# Altium PCB Dashcam_V2.0E.PcbDoc (part 5 of 8)
Units mil, origin at the board's own origin, x right, y up, seen from the top; angles counter-clockwise.
Board outline 3544.65 x 2560.37 mil, 8 copper layers (TOP, L2_GND, L3_IN1, L4_IN2, L5_PWR2, L6_PWR1, L7_GND_2, BOTTOM), stack 48.184 mil thick; 411 components, 365 nets, 2257 pads, 1045 vias.
Unrouted connection lines stored in the file: 2.
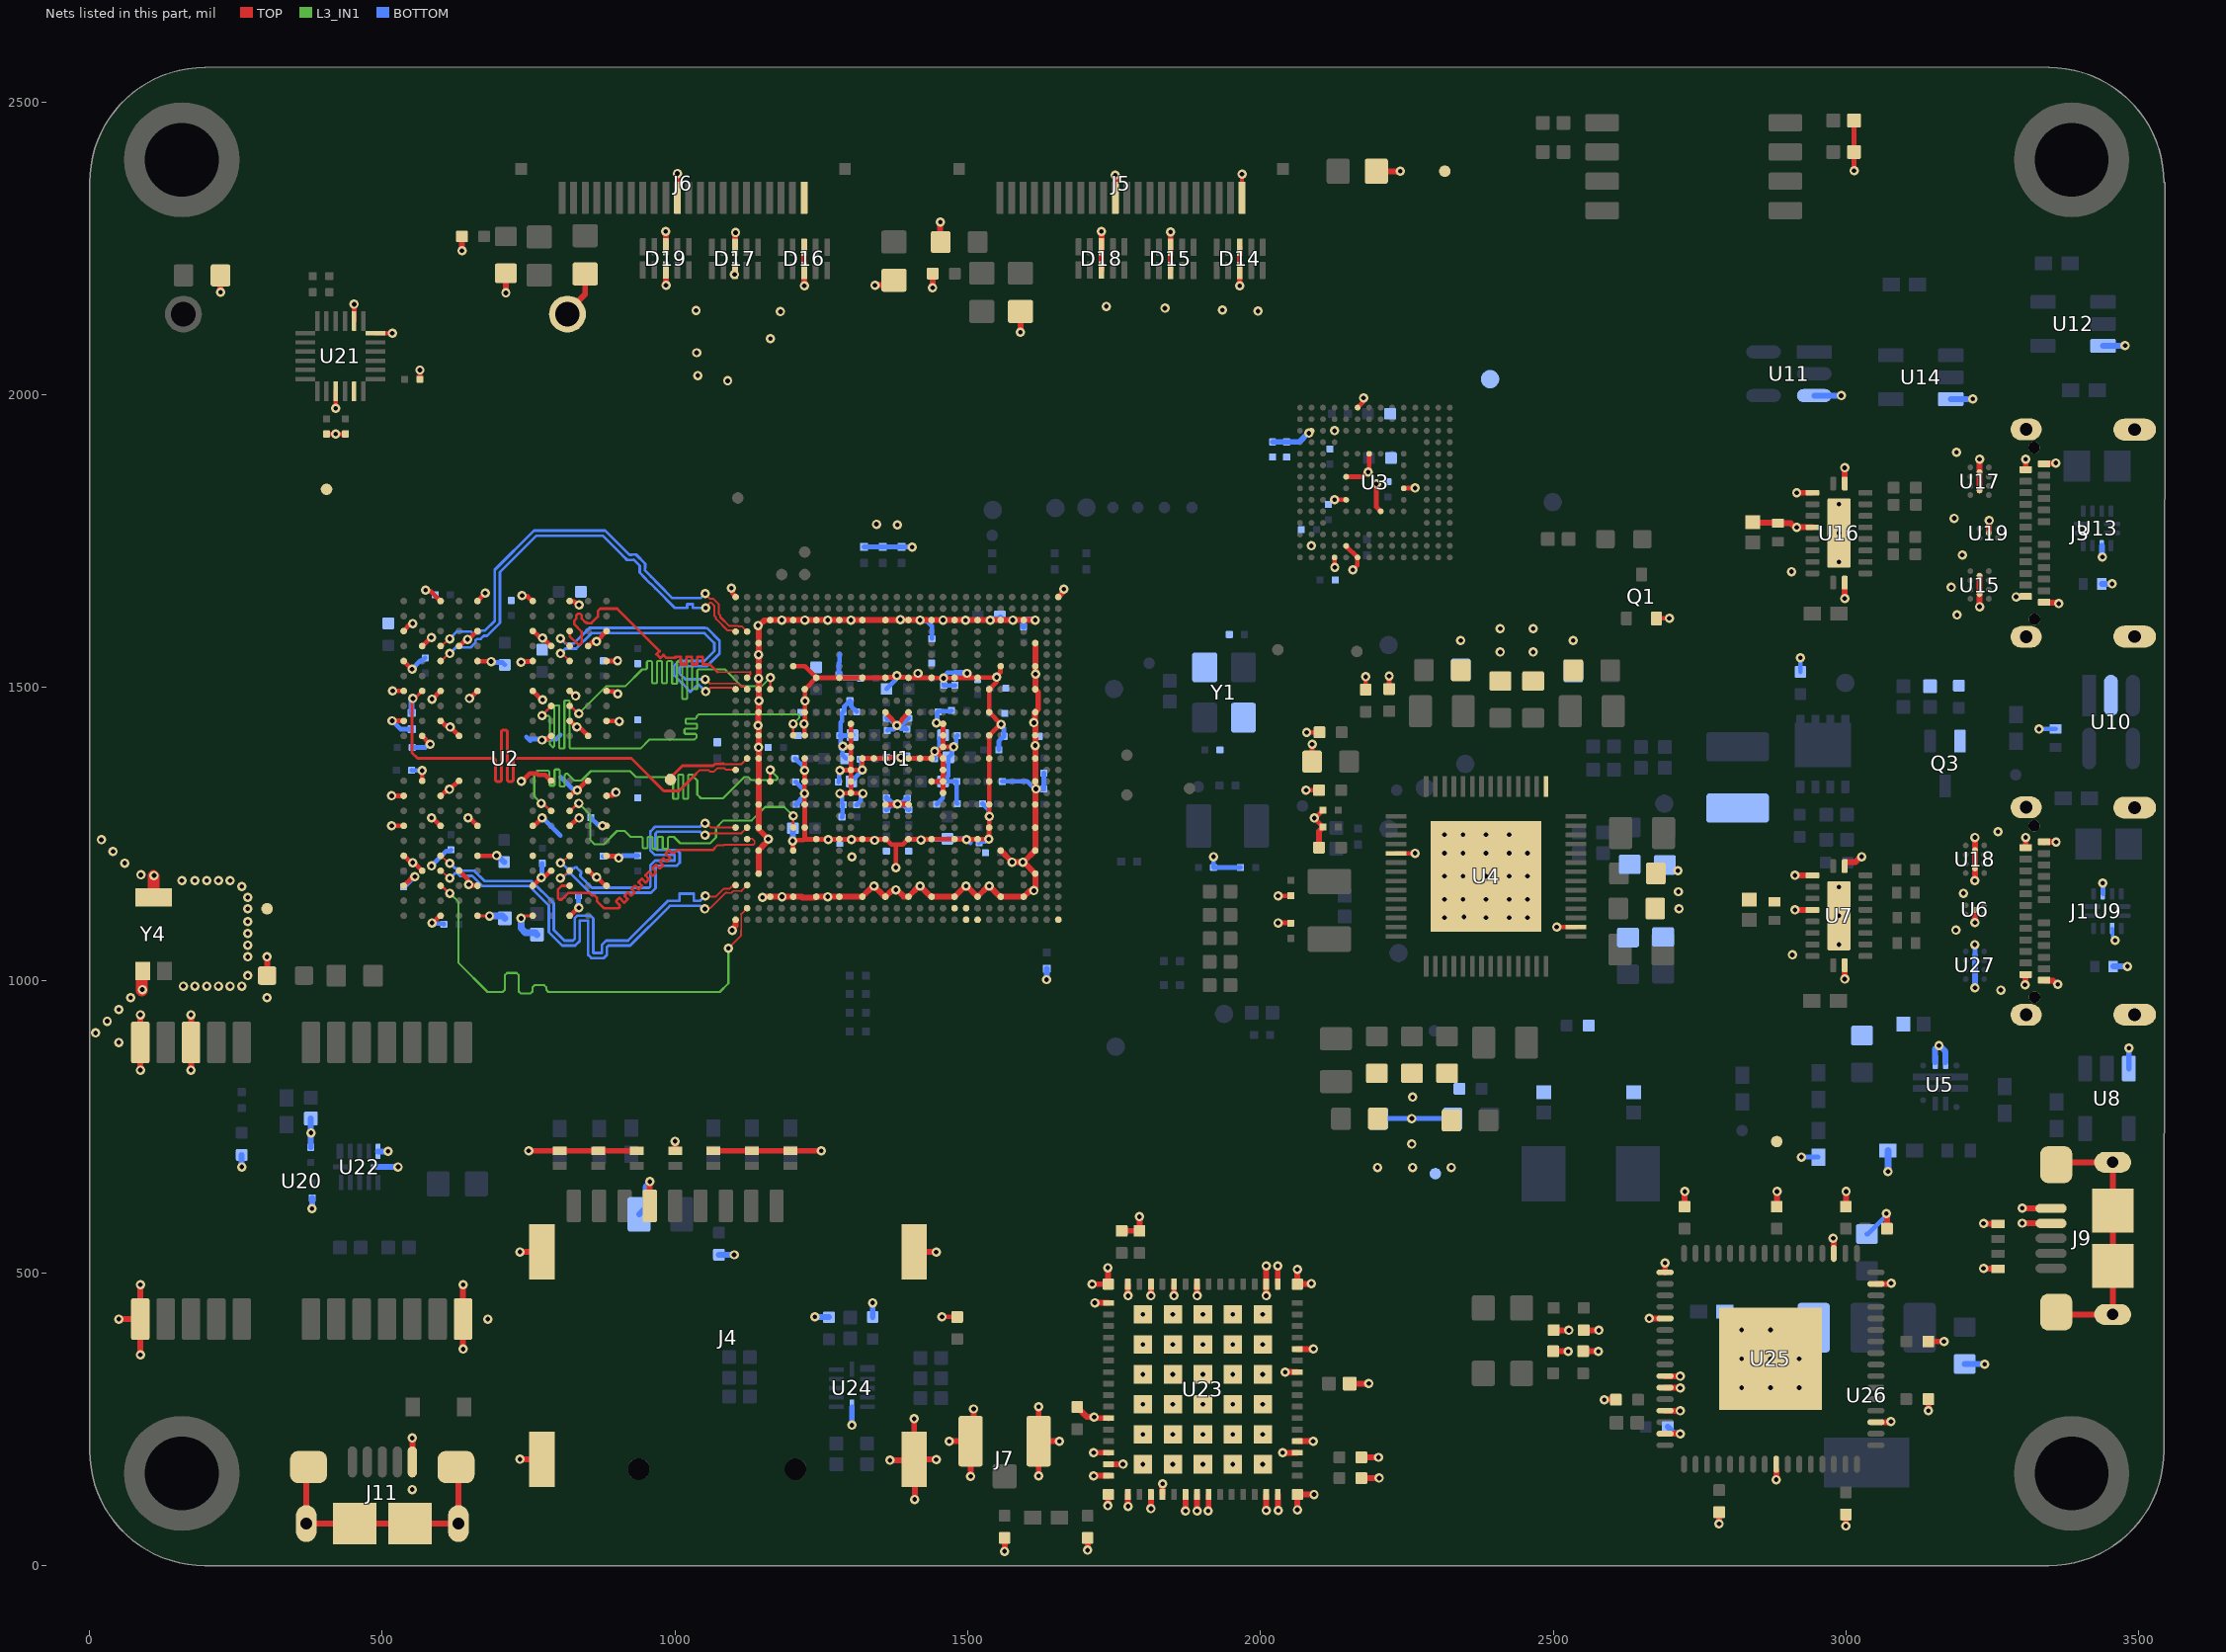
[diagram p11: the nets of this part, all layers, seen from the top]

## Via types
v1: diameter 15.98, hole 8, TOP to BOTTOM, tented both sides, 645 vias
v2: diameter 15.98, hole 7.99, TOP to BOTTOM, tented both sides, 382 vias
v3: diameter 15.98, hole 7.99, TOP to BOTTOM, 8 vias
v4: diameter 19.68, hole 7.87, TOP to BOTTOM, 6 vias
v5: diameter 19.68, hole 19.68, TOP to BOTTOM, 4 vias

## Nets (pads, with @x,y where several pads share a name; then routed paths per layer and width w, separated by ;. In a path a pad name is that pad's centre, name@x,y a point inside that pad or via, vN(x,y) a via of type N, cw(c..) or ccw(c..) an arc to the next point about the centre after c; other vN are vias at no path point) (continued)
DRAM_DMI0_B: U1.AB2 U2.C3 | length 592.5
  TOP w3: 1082.78,1230.68 1083.53,1231.43 1134.24,1231.43 1136,1233.19 1136,1238 1132,1242 U1.AB2@1123,1242
  TOP w3.35: 1067.8,1225.65 1072.83,1230.68 1082.78,1230.68 ; U1.AB2@1123.14,1241.14 U1.AB2@1124.69,1239.6
  TOP w4.4: U2.C3@820,1161.42 806.42,1161.42 800.22,1155.22 800.22,1140.34 802.8,1137.76 806.45,1137.76 817.68,1149 853,1149 ; 853.8,1149 857.8,1145 861.82,1145 866.91,1139.91 866.91,1134.67 877.94,1123.64 878.18,1123.64 879.14,1122.68 895.44,1122.68 903.5,1122.68 904.14,1123.31 ccw(c901.03,1126.42) 904.14,1129.53 899.59,1134.08 cw(c900.18,1134.68) 899.59,1135.27 904.34,1140.02 cw(c904.93,1139.43) 905.53,1140.02 912.61,1132.94 ccw(c913.2,1133.54) 913.8,1132.94 918.55,1137.69 ccw(c917.95,1138.29) 918.55,1138.88 914.17,1143.26 cw(c914.76,1143.86) 914.17,1144.45 918.92,1149.2 cw(c919.51,1148.61) 920.11,1149.2 924.47,1144.84 ccw(c925.07,1145.43) 925.66,1144.84 930.41,1149.59 ccw(c929.82,1150.18) 930.41,1150.78 926.15,1155.04 cw(c926.75,1155.63) 926.15,1156.22 930.9,1160.98 cw(c931.5,1160.38) 932.09,1160.98 937.46,1155.61 ccw(c938.05,1156.2) 938.65,1155.61 943.4,1160.36 ccw(c942.81,1160.95) 943.4,1161.55 938.03,1166.91 cw(c938.63,1167.51) 938.03,1168.1 942.78,1172.85 cw(c943.38,1172.26) 943.97,1172.85 949.32,1167.51 ccw(c949.91,1168.1) 950.51,1167.51 955.26,1172.26 ccw(c954.66,1172.85) 955.26,1173.45 949.91,1178.79 cw(c950.51,1179.39) 949.91,1179.98 954.66,1184.73 cw(c955.26,1184.14) 955.85,1184.73 961.2,1179.39 ccw(c961.79,1179.98) 962.39,1179.39 967.14,1184.14 ccw(c966.54,1184.73) 967.14,1185.33 961.79,1190.67 cw(c962.38,1191.27) 961.79,1191.86 966.54,1196.61 cw(c967.14,1196.02) 967.73,1196.61 973.08,1191.27 ccw(c973.67,1191.86) 974.27,1191.27 979.02,1196.02 ccw(c978.42,1196.61) 979.02,1197.21 974.64,1201.59 cw(c975.23,1202.18) 974.64,1202.78 979.39,1207.53 cw(c979.98,1206.93) 980.58,1207.53 984.96,1203.15 ccw(c985.55,1203.74) 986.14,1203.15 990.9,1207.9 ccw(c990.3,1208.49) 990.9,1209.09 984.32,1215.66 cw(c984.91,1216.26) 984.32,1216.85 989.07,1221.6 cw(c989.66,1221.01) 990.26,1221.6 993.23,1218.63 ccw(c996.34,1221.74) 999.45,1218.63 1003.15,1222.32 1014.29,1222.32 1064.47,1222.32 1067.8,1225.65
DRAM_DMI1_A: U1.H2 U2.Y3 | length 547
  TOP w3: 1072.45,1526.44 1128.68,1526.44
  TOP w3.35: U1.H2@1123.14,1516.73 1123.14,1517.19 1128.68,1522.73 1128.68,1526.44
  TOP w4.4: U2.Y3@820,1596.46 820.1,1596.35 820.1,1587.9 834.31,1573.69 837.96,1573.69 840.54,1576.26 840.54,1595.46 828,1608 828,1614.35 831.1,1617.45 831.1,1623.1 834.18,1626.18 837.82,1626.18 840.54,1623.46 840.54,1617.51 846.95,1611.1 848.9,1611.1 850,1610 857,1610 868.14,1621.14 868.14,1630.68 872.14,1634.68 901.14,1634.68 965.41,1570.41 973.61,1562.21 968.34,1556.94 974.99,1550.29 980.26,1555.56 983.41,1552.41 985.14,1550.68 998.19,1550.68 1000.39,1550.68 1000.39,1552.21 1009.8,1552.21 1009.8,1539.4 1019.2,1539.4 1019.2,1552.21 1028.59,1552.21 1028.59,1539.4 1038,1539.4 1038,1552.21 1047.39,1552.21 1047.39,1539.4 1056.8,1539.4 1056.8,1539.52 1059.37,1539.52 1065.56,1533.34 1072.45,1526.44
DRAM_DMI1_B: U1.AH2 U2.C10 | length 849.8
  TOP w3: 1113,1085.03 1113,1099.16 1113.17,1099.33 1113.17,1107.37 1113,1107.54 1113,1112.89
  TOP w3.35: v2(1091.14,1054.68) 1113,1076.54 1113,1085.03 ; 1113,1112.89 U1.AH2@1123.14,1123.03
  TOP w4.4: U2.C10@599.52,1161.42 601.28,1161.42 614.07,1148.62 v2(615.27,1148.62)
  L3_IN1 w3.6: v2@617.14,1146.68 617.21,1146.68 630.14,1133.75 630.14,1029.53 679.67,980 704,980 705.8,980 709.34,983.54 709.34,1008.79 712.88,1012.33 729.4,1012.33 732.94,1008.79 732.94,980.66 736.48,977.12 753,977.12 756.54,980.66 756.54,987.94 760.08,991.48 776.6,991.48 780.14,987.94 780.14,983.54 783.68,980 796.82,980 1076.46,980 1091.14,994.68 v2(1091.14,1054.68)
DRAM_nCS0_A: U1.N6 U2.R4 | length 974.7
  TOP w4.4: v2(772.75,1452.07) 772.75,1452.42 788.5,1468.16 U2.R4@788.5,1468.51 ; v2(1201.5,1437.99) 1201.69,1437.8 1201.69,1418.5 U1.N6@1201.88,1418.31
  L3_IN1 w3.6: v2(772.75,1452.07) 773.34,1451.48 783.89,1451.48 786,1449.37 786,1403 789.86,1399.14 791.24,1397.76 791.66,1397.76 793.77,1399.87 793.77,1468.57 794.63,1469.43 801.51,1469.43 802.37,1468.57 802.37,1396.54 803.23,1395.68 810.11,1395.68 810.97,1396.54 810.97,1477.09 811.83,1477.95 818.71,1477.95 819.57,1477.09 819.57,1397.79 821.68,1395.68 829,1395.68 940.68,1395.68 956,1411 1033,1411 1037,1415 1037,1417 1037,1418.8 1034.89,1420.91 1017.27,1420.91 1015.98,1422.2 1015.98,1428.22 1017.27,1429.51 1036.06,1429.51 1037.35,1430.8 1037.35,1436.82 1036.06,1438.11 1019.33,1438.11 1018.04,1439.4 1018.04,1445.42 1019.33,1446.71 1034.89,1446.71 1037,1448.82 1037,1450.89 1037.11,1451 1040.11,1454 1210.31,1454 1212.42,1451.89 1212.42,1448.91 v2(1201.5,1437.99)
DRAM_nCS0_B: U1.U4 U2.H4 | length 860.4
  TOP w4.4: v2(771.37,1302.11) 773.92,1302.11 786.66,1289.37 U2.H4@788.5,1289.37 ; U1.U4@1162.51,1339.57 v2(1162.51,1359.25)
  L3_IN1 w3.6: v2@771,1302 771,1302.49 759.43,1314.06 759.43,1352.43 765,1358 773,1358 783.4,1358 785.51,1355.89 785.51,1333.57 786.8,1332.28 792.82,1332.28 794.11,1333.57 794.11,1358.85 795.4,1360.14 801.42,1360.14 802.71,1358.85 802.71,1332.13 804,1330.84 810.02,1330.84 811.31,1332.13 811.31,1350.49 813.42,1352.6 816.4,1352.6 827.84,1341.16 829.75,1341.16 840.21,1341.16 856.05,1357 923.5,1357 933.5,1347 984.2,1347 986.01,1347 988.11,1349.11 988.11,1349.85 989.4,1351.14 995.42,1351.14 996.71,1349.85 996.71,1310.89 998,1309.6 1004.02,1309.6 1005.31,1310.89 1005.31,1349.85 1006.6,1351.14 1012.62,1351.14 1013.91,1349.85 1013.91,1310.89 1015.2,1309.6 1021.22,1309.6 1022.51,1310.89 1022.51,1349.85 1023.8,1351.14 1029.82,1351.14 1031.11,1349.85 1031.11,1347.89 1037,1342 1038,1341 1038,1317 1044.24,1310.76 1081.76,1310.76 1116.16,1345.16 1118.15,1347.15 1124.84,1347.15 1129.99,1342 1172.57,1342 1174.68,1344.11 1174.68,1347.09 v2(1162.51,1359.25)
DRAM_nCS1_A: U1.J4 U2.R3 | length 853.3
  TOP w4.4: U2.R3@820,1468.51 821.37,1468.51 834.33,1455.55 v2(835.7,1455.55) ; U1.J4@1162.51,1497.05 1162.62,1497.15 1162.62,1516.64 v2(1162.72,1516.74)
  L3_IN1 w3.6: v2@836,1457 837.15,1457 882.15,1502 915,1502 944,1531 948,1531 949.8,1531 951.91,1533.11 951.91,1543.79 953.2,1545.08 959.22,1545.08 960.51,1543.79 960.51,1508.35 961.8,1507.06 967.82,1507.06 969.11,1508.35 969.11,1543.79 970.4,1545.08 976.42,1545.08 977.71,1543.79 977.71,1508.35 979,1507.06 985.02,1507.06 986.31,1508.35 986.31,1543.79 987.6,1545.08 993.62,1545.08 994.91,1543.79 994.91,1507.66 996.2,1506.37 1002.22,1506.37 1003.51,1507.66 1003.51,1543.79 1004.8,1545.08 1010.82,1545.08 1012.11,1543.79 1012.11,1481.79 1013.4,1480.5 1019.42,1480.5 1020.71,1481.79 1020.71,1543.79 1022,1545.08 1028.02,1545.08 1029.31,1543.79 1029.31,1498.39 1030.6,1497.1 1036.62,1497.1 1037.91,1498.39 1037.91,1528.89 1040.02,1531 1050.86,1531 1085,1531 1114,1502 1147.98,1502 v2(1162.72,1516.74)
DRAM_nCS1_B: U1.AA6 U2.H3 | length 633
  TOP w4.4: U2.H3@820,1289.37 821.47,1289.37 834.27,1302.17 v2(835.74,1302.17) ; U1.AA6@1201.88,1260.83 U1.AA6@1201.88,1260.83 1201.94,1280.61 v2(1202,1280.67)
  L3_IN1 w3.6: v2@835,1302 835.91,1302 855,1282.91 855,1240 862.72,1232.28 878.28,1232.28 901,1255 914,1255 924,1245 932,1245 942.4,1245 944.51,1242.89 944.51,1226.93 945.8,1225.64 951.82,1225.64 953.11,1226.93 953.11,1243.71 954.4,1245 960.42,1245 961.71,1243.71 961.71,1225.57 963,1224.28 969.02,1224.28 970.31,1225.57 970.31,1243.71 971.6,1245 977.62,1245 978.91,1243.71 978.91,1225.57 980.2,1224.28 986.22,1224.28 987.51,1225.57 987.51,1242.89 989.62,1245 997,1245 998,1245 1009,1234 1060,1234 1070,1244 1070,1260 1083,1273 1131,1273 1154,1296 1186.67,1296 v2(1202,1280.67)
DRAM_nRESET: R1.2 U1.T1 U2.T11 | length 981.2
  TOP w3.35: 1035.7,1352.55 1041.7,1358.55 1057.7,1358.55 1059.7,1356.55 1066.7,1356.55 1071.96,1361.81 1084.44,1361.81 1087,1359.25 U1.T1@1103.46,1359.25
  TOP w5: v2@550.7,1480.55 550.7,1388.55 560.25,1379 681,1379 690.63,1379 693.56,1376.07 693.56,1341.29 695.06,1339.79 702.06,1339.79 703.56,1341.29 703.56,1425.86 705.06,1427.36 712.06,1427.36 713.56,1425.86 713.56,1341.29 715.06,1339.79 722.06,1339.79 723.56,1341.29 723.56,1376.07 726.49,1379 728.99,1379 925.25,1379 980.7,1323.55 1006.7,1323.55 1035.7,1352.55 ; v2(552.28,1481.3) 555.23,1481.3 U2.T11@568.03,1494.1
  BOTTOM w10: R1.2@550.14,1456.46 550.14,1477.55 552.14,1479.55 v2@552.14,1480.68
DRAM_SDQS0_A_N: U1.D1 U2.V10 | length 752.5
  TOP w3.39: U2.V10@599.52,1545.28 601,1545.28 613.79,1558.07 v2(615.27,1558.07) ; v2(1052.24,1636.07) 1052.24,1637.34 1059.45,1644.54 1062.26,1644.54 1067.13,1639.67 1067.13,1622.83 1069.87,1620.09 1069.87,1617.34 1089.59,1597.61 1097.46,1597.61 1098.06,1597.01 1101.92,1597.01 U1.D1@1103.46,1595.47
  BOTTOM w4.6: v2(615.27,1558.07) 615.45,1558.07 625.89,1568.51 650.77,1568.51 659.03,1576.77 659.03,1580.31 661.72,1583 668.12,1583 673.46,1588.33 679.06,1588.33 701,1610.27 701,1697.27 762.73,1759 877,1759 912,1724 918.13,1717.87 929.39,1717.87 929.69,1718.17 940.02,1707.85 939.72,1707.55 939.72,1696.28 950.16,1685.84 950.16,1685.56 966.36,1669.36 999.65,1636.07 1018.43,1636.07 1020.73,1636.07 1020.73,1642.27 1030.33,1642.27 1030.33,1636.07 1036,1636.07 v2(1052.24,1636.07)
DRAM_SDQS0_A_P: U1.D2 U2.W10 | length 756.6
  TOP w3: 1092.65,1605 1099.25,1605 1099.44,1605.18 1107.48,1605.18 1108.23,1604.44 1114.18,1604.44
  TOP w3.39: U2.W10@599.52,1570.87 601.29,1570.87 613.5,1583.07 v2(615.27,1583.07) ; v2(1051.53,1660.4) 1051.53,1659.85 1059.45,1651.93 1065.32,1651.93 1074.52,1642.73 1074.52,1625.89 1077.26,1623.15 1077.26,1620.4 1092.65,1605 ; 1114.18,1604.44 U1.D2@1123.14,1595.47
  BOTTOM w4.6: v2(615.27,1583.07) 627.76,1595.57 651.24,1595.57 651.87,1594.94 654.81,1592 664.39,1592 669.73,1597.33 675.33,1597.33 692,1614 692,1701 759,1768 880.73,1768 918.36,1730.36 921.85,1726.87 925.67,1726.87 925.97,1727.17 933.42,1727.17 949.02,1711.58 949.02,1704.12 948.72,1703.82 948.72,1700.01 959.16,1689.57 959.16,1689.29 972.72,1675.72 995.71,1652.74 1043.14,1652.74 1050.81,1660.4 v2(1051.53,1660.4)
DRAM_SDQS0_B_N: U1.AA1 U2.E3 | length 521.5
  TOP w3.39: v2(804.24,1200.28) 805.96,1200.28 818.28,1212.6 U2.E3@820,1212.6 ; v2@1051.7,1267.55 1054.89,1267.55 1061.61,1260.83 U1.AA1@1103.46,1260.83
  BOTTOM w4.6: v2(804.24,1200.28) 806.7,1200.28 816,1190.98 820.58,1190.98 827.64,1190.98 829.51,1192.85 831.58,1192.85 839.84,1184.59 839.84,1182.52 838.52,1181.2 838.52,1177.39 847.15,1168.76 857.91,1158 955.31,1158 958,1160.69 958,1173 958,1196.55 965.73,1204.29 999.31,1204.29 999.31,1213.89 965.73,1213.89 958,1221.62 958,1230 958,1254.49 965.73,1262.23 1042.75,1262.23 1048.42,1267.89 v2(1051.14,1267.89)
DRAM_SDQS0_B_P: U1.AA2 U2.D3 | length 536.7
  TOP w3: v2@1057.59,1251 1113.32,1251
  TOP w3.39: v2(804,1174.39) 805.69,1174.39 818.31,1187.01 U2.D3@820,1187.01 ; v2@1051.7,1246.55 1053.14,1246.55 v2@1057.59,1251 ; 1113.32,1251 U1.AA2@1123.14,1260.83
  BOTTOM w4.6: v2(804,1174.39) 807.08,1174.39 815.07,1182.38 821.37,1182.38 854.35,1149.4 958.87,1149.4 966.6,1157.13 966.6,1173 966.6,1192.99 969.29,1195.69 1002.87,1195.69 1007.91,1200.72 1007.91,1217.45 1002.87,1222.49 969.29,1222.49 966.6,1225.18 966.6,1230 966.6,1250.93 969.29,1253.63 1042.75,1253.63 1048.42,1247.96 v2(1051.14,1247.96)
DRAM_SDQS1_A_N: U1.J1 U2.V3 | length 546.8
  TOP w3.39: v2@803.14,1555.68 809.6,1555.68 U2.V3@820,1545.28 ; v2(1052.24,1493.11) 1054.26,1493.11 1060.53,1499.37 1062.76,1499.37 1062.82,1499.43 1097.46,1499.43 1098.31,1498.59 1101.92,1498.59 U1.J1@1103.46,1497.05
  BOTTOM w4.6: v2(804.24,1558.07) 804.34,1558.07 812.63,1566.37 820.74,1566.37 831.09,1566.37 857.73,1593 1050,1593 1050.46,1592.54 1067,1576 1067,1562 1050.4,1545.4 1006.37,1545.4 998.4,1537.43 998.4,1520.48 1006,1512.88 1010.93,1507.95 1012.56,1506.32 1012.97,1506.73 1019.76,1499.94 1019.21,1499.4 1026,1492.61 1038.31,1504.92 1040.43,1504.92 1044.55,1500.8 1046.18,1499.18 v2(1052.24,1493.11)
DRAM_SDQS1_A_P: U1.J2 U2.W3 | length 555.3
  TOP w3: 1059.7,1506.76 1107.48,1506.76 1111.91,1502.32 1117.07,1502.32
  TOP w3.39: v2@803.14,1583.68 805.71,1583.68 U2.W3@818.52,1570.87 ; v2@1051.5,1512.68 1053.78,1512.68 1059.7,1506.76 ; 1117.07,1502.32 1122.35,1497.05 U1.J2@1123.14,1497.05 ; U2.W3@818.52,1570.87 U2.W3@820,1570.87 U2.W3@818.52,1570.87
  BOTTOM w4.6: v2(804.24,1583.66) 804.34,1583.66 812.63,1575.37 817.01,1575.37 827.37,1575.37 854,1602 1051.22,1602 1051.62,1601.6 1053.56,1601.6 1053.62,1601.54 1054.19,1601.54 1076,1579.73 1076,1558.27 1054.13,1536.4 1010.09,1536.4 1007.4,1533.71 1007.4,1524.21 1017.69,1513.92 v2(1051.5,1513.92)
DRAM_SDQS1_B_N: U1.AF1 U2.E10 | length 771.2
  TOP w3.39: U2.E10@599.52,1212.6 600.99,1212.6 613.79,1199.8 v2(615.27,1199.8) ; v2(1051.76,1144.06) 1053.14,1142.68 1069.24,1142.68 1083.22,1156.65 1093.49,1156.65 1096.46,1159.62 1098.5,1159.62 1101.28,1162.4 U1.AF1@1103.46,1162.4
  BOTTOM w4.6: v2(615.27,1199.8) 623.76,1191.31 631.81,1191.31 636.12,1187 657.16,1187 674.78,1169.39 755.12,1169.39 793,1131.5 793,1085.82 811,1067.82 821,1067.82 825.82,1067.82 828.51,1070.51 828.51,1105.45 833.55,1110.48 855.28,1110.48 860.31,1105.45 860.31,1046.45 874.91,1046.45 874.91,1060.09 882.65,1067.82 919.66,1067.82 923,1071.16 987.45,1135.61 1005.42,1135.61 1007.72,1135.61 1007.72,1147.69 1032.32,1147.69 1032.32,1135.61 1042.5,1135.61 1044,1137.12 1050.94,1144.06 v2(1051.76,1144.06)
DRAM_SDQS1_B_P: U1.AF2 U2.D10 | length 773.5
  TOP w3: 1089.01,1149.27 1096.28,1149.27 1099.44,1152.43 1113.17,1152.43
  TOP w3.39: U2.D10@599.52,1187.01 600.99,1187.01 613.79,1174.21 v2(615.27,1174.21) ; v2(1051.02,1121.8) 1052.99,1123.76 1060.77,1123.76 1086.28,1149.27 1089.01,1149.27 ; 1113.17,1152.43 U1.AF2@1123.14,1162.4
  BOTTOM w4.6: v2(615.27,1174.21) 623.76,1182.71 628.25,1182.71 632.56,1178.4 653.6,1178.4 671.21,1160.79 751.56,1160.79 784.4,1127.94 784.4,1082.26 807.44,1059.22 821,1059.22 829.38,1059.22 837.11,1066.95 837.11,1101.88 851.71,1101.88 851.71,1042.88 856.75,1037.85 878.48,1037.85 883.51,1042.88 883.51,1056.52 886.21,1059.22 923,1059.22 923.22,1059.22 991.01,1127.01 1042.73,1127.01 1047.94,1121.8 v2(1051.02,1121.8)
DRAM_VREF: TP3.1 U1.R2 | length 148.6
  TOP w3: 1082.78,1369.92 1083.74,1368.96 1113.17,1368.96
  TOP w3.35: 1113.17,1368.96 U1.R2@1123.14,1378.94
  TOP w5: TP3.1@992.14,1342.68 992.14,1345.68 1013.13,1366.66 1065.34,1366.66 1068.6,1369.92 1082.78,1369.92
DRAM_ZQ0: R29.2 U2.A5 | length 68
  TOP w5: v2@739.07,1106.48 742.83,1110.24 U2.A5@757,1110.24
  BOTTOM w11.81: v2(737.14,1105.68) 737.14,1088.47 744.06,1081.55 760.55,1081.55 R29.2@764.14,1077.96
DRAM_ZQ1: R30.2 U2.A8 | length 44.6
  TOP w5: U2.A8@662.52,1110.24 v2@682.58,1110.24
  BOTTOM w11.81: v2@686.14,1109.68 705.43,1109.68 R30.2@709.14,1105.96
  other v2: 683.14,1109.68
ECSPI2_MISO: U1.AH20
ECSPI2_MOSI: U1.AJ21
ECSPI2_SCLK: U1.AH21
ECSPI2_SS0: U1.AJ22
eMMC_VDDIM: C100.2 C101.2 U3.C2 | length 73.1
  TOP w10: v3(2082.89,1934.44) 2083.57,1934.44 U3.C2@2087.16,1938.04
  BOTTOM w10: C101.2@2021.69,1919.54 2066.37,1919.54 2081.27,1934.44 v3(2082.89,1934.44)
GND: BH1.1 C1.1 C2.1 C3.1 C4.1 C5.1 C6.1 C7.1 C8.1 C9.1 C10.1 C11.1 C12.1 C13.1 C14.1 C15.1 C16.1 C17.1 C18.1 C19.1 C20.1 C21.1 C22.1 C23.1 C24.1 C25.1 C26.1 C27.1 C28.1 C29.1 C30.1 C31.1 C32.1 C33.1 C34.1 C35.1 C36.1 C37.1 C38.1 C39.1 C40.1 C41.1 C42.1 C43.1 C44.1 C45.1 C46.1 C47.1 C48.1 C49.1 C50.1 C51.1 C52.1 C53.1 C54.1 C55.1 C56.1 C57.1 C58.1 C59.1 C60.1 C61.1 C62.1 C63.1 C64.1 C65.1 C66.1 C67.1 C68.1 C69.1 C71.1 C72.1 C73.1 C74.1 C75.1 C76.1 C77.1 C78.1 C79.1 C80.1 C81.1 C82.1 C83.1 C84.1 C85.1 C86.1 C87.1 C88.1 C89.1 C90.1 C91.1 C92.1 C93.1 C94.1 C95.1 C96.1 C97.1 C98.1 C99.1 C100.1 C101.1 C102.1 C103.1 C104.1 C105.1 C106.2 C107.1 C108.1 C109.1 C110.2 C111.1 C112.1 C113.1 C114.1 C115.2 C116.1 C117.1 C118.1 C119.1 C120.2 C121.1 C122.1 C123.1 C124.1 C125.1 C126.1 C127.1 C128.1 C129.1 C130.1 C131.1 C132.1 C133.1 C134.1 C135.1 C136.1 C137.1 C138.1 C143.1 C144.1 C145.1 C148.1 C149.1 C150.1 C151.1 C152.1 C153.1 C154.1 C184.1 C185.1 C190.2 C191.1 C192.1 C193.1 C194.1 C195.1 C196.1 C198.1 C199.1 C200.1 C201.1 C202.1 C203.1 C204.1 C205.1 C206.1 C207.1 C208.1 C209.1 C210.1 C211.1 C212.1 C213.1 C214.1 C215.1 C216.1 C217.1 C218.1 C219.1 C220.1 C221.1 C222.1 C223.1 C224.1 C225.1 D7.1 D8.1 D9.1 D10.1 D11.1 D12.1 D13.1 D14.3 D14.8 D15.3 D15.8 D16.3 D16.8 D17.3 D17.8 D18.3 D18.8 D19.3 D19.8 D21.1 D25.1 D26.1 FB3.2 FB4.2 FB7.2 FB8.2 J1.A1 J1.A12 J1.B1 J1.B12 J1.SH1 J1.SH2 J1.SH3 J1.SH4 J3.A1 J3.A12 J3.B1 J3.B12 J3.SH1 J3.SH2 J3.SH3 J3.SH4 J4.P6 J4.SH1 J4.SH2 J4.SH3 J4.SH4 J5.1 J5.12 J6.1 J6.12 J7.2 J7.3 J9.4 J9.5 J9.S J11.5 J11.S Q1.S Q3.S R1.1 R2.1 R3.2 R4.1 R5.2 R6.1 R55.1 R56.1 R65.1 R113.1 R129.1 R142.1 R143.1 R155.1 TP2.1 TP48.1 TP50.1 TP51.1 TP52.1 TP53.1 U1.A1 U1.A29 U1.AA3 U1.AA7 U1.AA23 U1.AA27 U1.AB8 U1.AB10 U1.AB12 U1.AB14 U1.AB16 U1.AB18 U1.AB20 U1.AB22 U1.AC3 U1.AC6 U1.AC24 U1.AC27 U1.AE3 U1.AE27 U1.AG4 U1.AG6 U1.AG8 U1.AG10 U1.AG12 U1.AG14 U1.AG16 U1.AG18 U1.AG20 U1.AG22 U1.AG24 U1.AG26 U1.AJ1 U1.AJ29 U1.C4 U1.C6 U1.C8 U1.C10 U1.C12 U1.C14 U1.C16 U1.C18 U1.C20 U1.C22 U1.C24 U1.C26 U1.E3 U1.E27 U1.G3 U1.G6 U1.G24 U1.G27 U1.H8 U1.H10 U1.H12 U1.H14 U1.H16 U1.H18 U1.H20 U1.H22 U1.J3 U1.J7 U1.J23 U1.J27 U1.L3 U1.L7 U1.L14 U1.L16 U1.L23 U1.L27 U1.M11 U1.M19 U1.N3 U1.N7 U1.N11 U1.N19 U1.N23 U1.N27 U1.P11 U1.P19 U1.R3 U1.R7 U1.R11 U1.R12 U1.R13 U1.R14 U1.R16 U1.R17 U1.R18 U1.R19 U1.R23 U1.R27 U1.T11 U1.T19 U1.U3 U1.U7 U1.U11 U1.U18 U1.U19 U1.U23 U1.U27 U1.V11 U1.V19 U1.W3 U1.W7 U1.W14 U1.W16 U1.W23 U1.W27 U2.A3 U2.A10 U2.AB3 U2.AB5 U2.AB8 U2.AB10 U2.C1 U2.C5 U2.C8 U2.C12 U2.D2 U2.D4 U2.D9 U2.D11 U2.E1 U2.E5 U2.E8 U2.E12 U2.G1 U2.G3 U2.G5 U2.G8 U2.G10 U2.G12 U2.J1 U2.J3 U2.J10 U2.J12 U2.K2 U2.K4 U2.K9 U2.K11 U2.N2 U2.N4 U2.N9 U2.N11 U2.P1 U2.P3 U2.P10 U2.P12 U2.T1 U2.T3 U2.T5 U2.T8 U2.T10 U2.T12 U2.V1 U2.V5 U2.V8 U2.V12 U2.W2 U2.W4 U2.W9 U2.W11 U2.Y1 U2.Y5 U2.Y8 U2.Y12 U3.A6 U3.C4 U3.E7 U3.G5 U3.H10 U3.J5 U3.K8 U3.N2 U3.N5 U3.P4 U3.P6 U4.5 U4.30 U4.43 U4.57 U5.8 U5.9 U6.B1 U7.2 U7.5 U7.11 U7.20 U7.21 U8.3 U9.4 U9.10 U10.2 U11.3 U12.3 U13.10 U14.3 U15.B1 U15.B2 U16.2 U16.5 U16.11 U16.20 U16.21 U17.B1 U17.B2 U18.B1 U18.B2 U19.B1 U20.10 U20.12 U20.13 U20.24 U21.9 U21.11 U21.18 U21.20 U22.5 U22.6 U23.1 U23.2 U23.12 U23.15 U23.16 U23.17 U23.18 U23.19 U23.21 U23.22 U23.24 U23.25 U23.26 U23.31 U23.32 U23.33 U23.36 U23.37 U23.43 U23.45 U23.50 U23.51 U23.52 U23.58 U23.60 U23.62 U23.64 U23.65 U23.66 U23.67 U23.68 U23.69 U23.70 U23.71 U23.72 U23.73 U23.74 U23.75 U23.76 U23.77 U23.78 U23.79 U23.80 U23.81 U23.82 U23.83 U23.84 U23.85 U23.86 U23.87 U23.88 U23.89 U23.90 U23.91 U23.92 U23.93 U23.94 U24.6 U25.1 U25.5 U25.10 U25.11 U25.13 U25.15 U25.25 U25.35 U25.47 U25.51 U25.65 U26.1 U27.B1 U27.B2 Y1.2 Y1.4 Y4.2 Y4.3 | length 15202.1
  TOP w7: J5.1@1968.5,2336.61 v1(1968.5,2377)